# Altium PCB TFT-ES32-V1.1.PcbDoc (part 1 of 2) (continued)
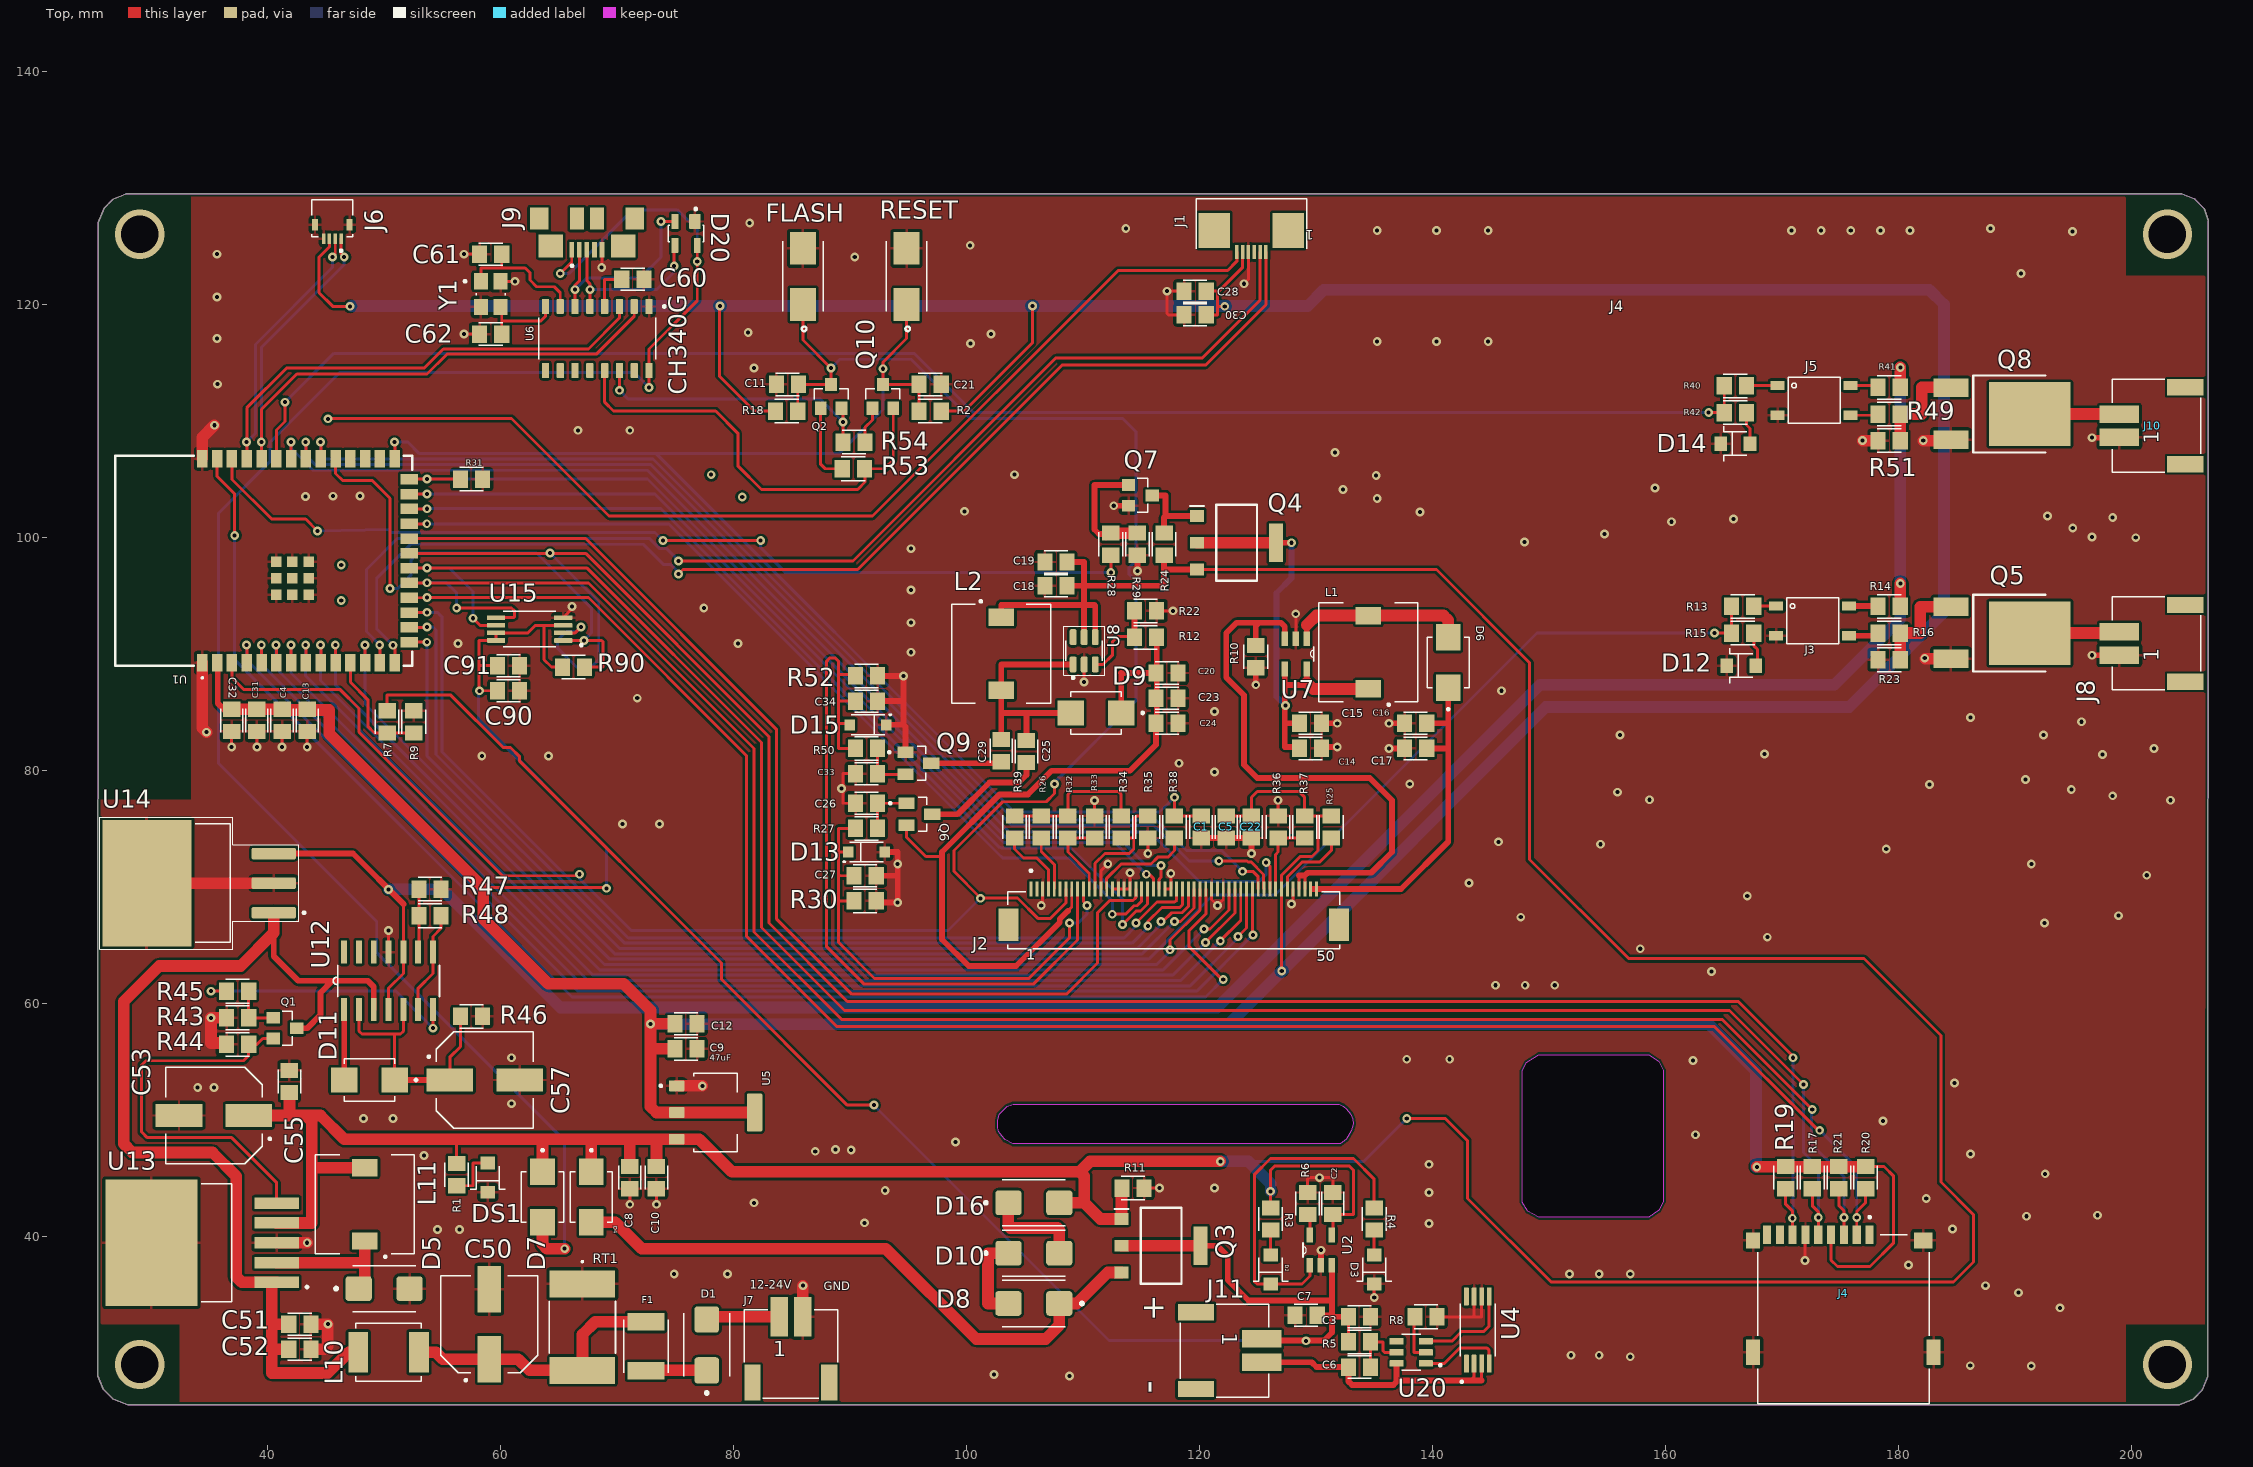
[diagram p0: Top view]
## Components (designator, comment, footprint, x,y, rotation, side; value= is the part's Value field where it differs from the comment) (continued)
R48 "5k" R_0805 53.975,67.564 r180 top
R49 "1K" R_0805 179.197,110.617 r180 top
R50 "10.5K" R_0805 91.44,81.915 r0 top
R51 "1K" R_0805 179.197,108.331 r180 top
R52 "10.5K" R_0805 91.44,88.138 r180 top
R53 "10K 5%" R_0805 90.297,105.918 r180 top
R54 "10K 5%" R_0805 90.363,108.204 r0 top
R90 "10K" R_0805 66.294,88.9 r180 top
RESET "buton-SMD" SW_147873-2 94.869,122.428 r90 top
RT1 "0ZCF0150FF2C" 0ZCF 67.056,32.258 r270 top
U1 "ESP32-S3-WROOM-1-N4R2" ESP32S3WROOM1N4R2 39.951,98.023 r90 top
U2 "MCP73831T-2ACI/OT" SOT95P280X145-5N 130.429,38.862 r90 top
U4 "FS8205A" SOP65P640X120-8N 143.891,32.004 r90 top
U5 "AMS1117" SOT229P700X180-4N 78.486,50.673 r0 top
U6 "CH340G" SOIC127P600X180-16N 68.326,117.094 r270 top
U7 "TPS61040DBVR" SOT95P280X145-5N 128.27,90.043 r270 top
U8 "MT3608" SOT95P280X145-6N 110.109,90.297 r90 top
U12 "TL084CDT" SOIC127P600X175-14N 50.419,61.976 r90 top
U13 "LM2596S-5.0" TO170P1524X483-6N 34.417,39.497 r180 top
U14 "LM7812S/NOPB" TO254P1524X483-4N 34.163,70.358 r180 top
U15 "CAT25512YI-GT3" SOP65P640X120-8N 62.525,92.161 r180 top
U20 "DW01A" SOT-23-6 138.176,30.099 r180 top
Y1 "cristal" XTAL_ABM8G25000MHZB4YT3 59.182,120.904 r0 top

## Footprints (in the part's own frame and the unit in brackets; to place one, negate y for a bottom-side part, rotate by r counter-clockwise, add the part's x,y. Pads: shape width x height; smd on the part's side, far side on the other; paste and mask are expansions set on the pad)
0ZCF [mil]
  rect 91x221 smd paste+0 mask+0: 1(-146,0) 2(146,0)
  silkscreen extent -224,-112 87,112, body extent -157,-111 157,111, height 45
68710614022 [mm]
  rect 0.3x1.2 smd: 1(-1.25,1.86) 2(-0.75,1.86) 3(-0.25,1.86) 4(0.25,1.86) 5(0.75,1.86) 6(1.25,1.86)
  rect 2.7x3 smd: Z1(-3.18,0) Z2(3.18,0)
  silkscreen extent -4.75,-2.74 4.75,1.56, body extent -4.7,-2.67 4.7,2.43, height 2.07
620102131822 [mm]
  rect 1.5x3.4 smd: 1(-1,0) 2(1,0)
  rect 1.4x3.1 smd: Z1(-3.3,-5.65) Z2(3.3,-5.65)
  silkscreen extent -4,-7 4,0.6, body extent -4,-7 4,1.6, height 5.55
AMPHENOL_59453-041110ECHLF [mm]
  rect 0.3x0.9 smd: 1(-0.75,1.2) 2(-0.25,1.2) 3(0.25,1.2) 4(0.75,1.2)
  rect 0.52x1 smd: 5(-1.49,0) 6(1.49,0)
  silkscreen extent -1.75,-2.15 1.75,2.35, body extent -1.75,-2.05 1.75,1.55, height 0.9
AMPHENOL_F32D-1A7Y1-21050 [mm]
  rect 0.25x1.3 smd mask+0.05: 1(-12.25,3.08) 2(-11.75,3.08) 3(-11.25,3.08) 4(-10.75,3.08) 5(-10.25,3.08) 6(-9.75,3.08) 7(-9.25,3.08) 8(-8.75,3.08) 9(-8.25,3.08) 10(-7.75,3.08) 11(-7.25,3.08) 12(-6.75,3.08) 13(-6.25,3.08) 14(-5.75,3.08) 15(-5.25,3.08) 16(-4.75,3.08) 17(-4.25,3.08) 18(-3.75,3.08) 19(-3.25,3.08) 20(-2.75,3.08) 21(-2.25,3.08) 22(-1.75,3.08) 23(-1.25,3.08) 24(-0.75,3.08) 25(-0.25,3.08) 26(0.25,3.08) 27(0.75,3.08) 28(1.25,3.08) 29(1.75,3.08) 30(2.25,3.08) 31(2.75,3.08) 32(3.25,3.08) 33(3.75,3.08) 34(4.25,3.08) 35(4.75,3.08) 36(5.25,3.08) 37(5.75,3.08) 38(6.25,3.08) 39(6.75,3.08) 40(7.25,3.08) 41(7.75,3.08) 42(8.25,3.08) 43(8.75,3.08) 44(9.25,3.08) 45(9.75,3.08) 46(10.25,3.08) 47(10.75,3.08) 48(11.25,3.08) 49(11.75,3.08) 50(12.25,3.08)
  rect 1.73x2.8 smd mask+0.05: S1(-14.19,0) S2(14.19,0)
  silkscreen extent -14.25,-2.05 14.25,4.75, body extent -14.54,-2.02 14.55,3.29, height 3.15
AMPHENOL_GTFP08131Y2HR [mm]
  rect 0.7x1.6 smd: 1(2.25,10.1) 2(1.15,10.1) 3(0.05,10.1) 4(-1.05,10.1) 5(-2.15,10.1) 6(-3.25,10.1) 7(-4.35,10.1) 8(-5.45,10.1) CD(-6.55,10.1)
  rect 1.2x1.4 smd: S1(-7.75,9.6)
  rect 1.6x1.4 smd: S2(6.85,9.6)
  rect 1.2x2.2 smd: S3(-7.75,0) S4(7.75,0)
  silkscreen extent -7.35,-4.4 7.35,11.7, body extent -8.05,-4.4 8.05,10.6, height 1.9
C_0805-3D [mm] "Chip Capacitor, 2-Leads, Body 2.00x1.25mm"
  rect 1.3x1.5 smd: 1(-0.95,0) 2(0.95,0)
  silkscreen extent -1.02,-0.95 1.02,0.95, body extent -1,-0.62 1,0.63, height 0.78
"CAP_EEEFP1V221AV - duplicate" [mm]
  rect 4x2 smd: 1(-3,0) 2(3,0)
  silkscreen extent -4.9,-4.15 4.15,4.15, body extent -4.85,-4.15 4.85,4.15, height 10.5
D_0805-GREEN [mm] "diodo GREEN 0805 smd"
  rect 1.1x1.25 smd: 1(-1.25,0) 2(1.25,0)
  silkscreen extent -1,-1.5 1,1.5, body extent -1.01,-0.62 1.01,0.63, height 1.1
D_0805-RED [mm] "diodo red 0805 smd"
  rect 1.1x1.25 smd: 1(-1.25,0) 2(1.25,0)
  silkscreen extent -1,-1.5 1,1.5, body extent -1.05,-0.67 1.05,0.68, height 0.9
DE0703-33 [mm] "Inductor: alambre; SMD; 33uH; 910mA; 240 mO; 7,3x7,3x3,2 mm; ±20%"
  rect 1.5x2.2 smd: 1(-3.15,0) 2(3.15,0)
  silkscreen extent -4.6,-4.25 4.25,4.25, body extent -3.65,-3.65 3.65,3.65, height 3.2
DIOM5436X247N [mm]
  rrect25% 2.25x2.12 smd: A(2.185,0) C(-2.185,0)
  silkscreen extent -4.22,-1.98 2.71,1.98, body extent -2.72,-1.78 2.72,1.78, height 2.49
DPAK [mil]
  rect 63x118 smd: 1(-89,-194) 3(87,-194)
  rect 214.63x275.59 smd: 4(0,72.94)
  silkscreen extent -130,-118 130,126, body extent -128,-225 128,165, height 94
ESP32S3WROOM1N4R2 [mm]
  rect 1.5x0.9 smd: 1(-8.75,5.51) 2(-8.75,4.24) 3(-8.75,2.97) 4(-8.75,1.7) 5(-8.75,0.43) 6(-8.75,-0.84) 7(-8.75,-2.11) 8(-8.75,-3.38) 9(-8.75,-4.65) 10(-8.75,-5.92) 11(-8.75,-7.19) 12(-8.75,-8.46) 13(-8.75,-9.73) 14(-8.75,-11) 27(8.75,-11) 28(8.75,-9.73) 29(8.75,-8.46) 30(8.75,-7.19) 31(8.75,-5.92) 32(8.75,-4.65) 33(8.75,-3.38) 34(8.75,-2.11) 35(8.75,-0.84) 36(8.75,0.43) 37(8.75,1.7) 38(8.75,2.97) 39(8.75,4.24) 40(8.75,5.51)
  rect 0.9x1.5 smd: 15(-6.985,-12.25) 16(-5.715,-12.25) 17(-4.445,-12.25) 18(-3.175,-12.25) 19(-1.905,-12.25) 20(-0.635,-12.25) 21(0.635,-12.25) 22(1.905,-12.25) 23(3.175,-12.25) 24(4.445,-12.25) 25(5.715,-12.25) 26(6.985,-12.25)
  rect 0.9x0.9 smd: 41(-1.5,-2.21) 42(-1.5,-0.81) 43(-2.9,-0.81) 44(-2.9,-2.21) 45(-2.9,-3.61) 46(-1.5,-3.61) 47(-0.1,-3.61) 48(-0.1,-2.21) 49(-0.1,-0.81)
  silkscreen extent -10.1,-12.5 9,13, body extent -9,-12.5 9,13, height 3.25
FUSER_MF-MSMF075/24-2 [mm]
  rect 1.5x3.2 smd: 1(-2.1,0) 2(2.1,0)
  silkscreen extent -2.27,-1.91 2.27,1.91, body extent -2.27,-1.62 2.27,1.62, height 0.85
HRS_ZX62R-B-5P [mm]
  rect 0.4x1.35 smd: 1(1.3,2.675) 2(0.65,2.675) 3(0,2.675) 4(-0.65,2.675) 5(-1.3,2.675)
  rect 1.6x1.9 smd: GND(-4.1,0) GND(4.1,0)
  rect 2.1x2 smd: GND(-3.1,2.35) GND(3.1,2.35)
  rect 1.2x1.9 smd: GND(-0.85,0) GND(0.85,0)
  silkscreen extent 1.18,3.94 1.38,4.14, body extent -4.4,-2.75 4.4,2.98, height 2.71
INDM5650X530N [mm]
  rect 1.71x3.51 smd: 1(-2.6,0) 2(2.6,0)
  silkscreen extent -2.8,-2.5 2.8,2.5, body extent -2.93,-2.67 2.67,2.33, height 5.3
R_0805 [mm] "Chip Resistor 0805"
  rect 1.3x1.5 smd: 1(-0.95,0) 2(0.95,0)
  silkscreen extent -1.02,-1.02 1.02,1.02, body extent -1,-0.63 1,0.63, height 0.43
SOD_123 [mm]
  rect 0.9x0.95 smd: 1(-1.575,0) 2(1.575,0)
  silkscreen extent -1.43,-0.85 2.03,0.89, body extent -1.93,-0.85 1.93,0.85, height 1.42
SOIC127P600X175-14N [mil]
  rect 78x20 smd: 1(-97,150) 2(-97,100) 3(-97,50) 4(-97,0) 5(-97,-50) 6(-97,-100) 7(-97,-150) 8(97,-150) 9(97,-100) 10(97,-50) 11(97,0) 12(97,50) 13(97,100) 14(97,150)
  silkscreen extent -53,-172 53,187, body extent -118,-170 118,170, height 69
SOIC127P600X180-16N [mm]
  rrect25% 1.31x0.62 smd: 1(-2.75,4.445) 2(-2.75,3.175) 3(-2.75,1.905) 4(-2.75,0.635) 5(-2.75,-0.635) 6(-2.75,-1.905) 7(-2.75,-3.175) 8(-2.75,-4.445) 9(2.75,-4.445) 10(2.75,-3.175) 11(2.75,-1.905) 12(2.75,-0.635) 13(2.75,0.635) 14(2.75,1.905) 15(2.75,3.175) 16(2.75,4.445)
  silkscreen extent -2.85,-5 1.78,5.85, body extent -3,-5 3,5, height 1.8
SOP65P640X120-8N [mm]
  rrect25% 1.56x0.4 smd: 1(-2.88,0.975) 2(-2.88,0.325) 3(-2.88,-0.325) 4(-2.88,-0.975) 5(2.88,-0.975) 6(2.88,-0.325) 7(2.88,0.325) 8(2.88,0.975)
  silkscreen extent -4.54,-1.52 2.25,1.52, body extent -3.2,-1.47 3.2,1.46, height 1.2
SOP-4-2.54MM [mm]
  rect 0.8x1.2 smd: ANODE(-1.3,-3.35) CATHODE(1.25,-3.35) COLLECTOR(-1.3,2.9) EMITTER(1.25,2.9)
  silkscreen extent -2,-2.45 1.95,2, body extent -1.9,-3.77 1.9,3.26, height 2.2
SOT95P240X120-3N [mm]
  rect 1.4x1 smd: 1(-1.1,0.95) 2(-1.1,-0.95) 3(1.1,0)
  silkscreen extent -2.6,-1.46 0.65,1.46, body extent -1.2,-1.46 1.2,1.46, height 1.2
SOT95P280X145-5N [mil]
  rect 50x22 smd: 1(-51,37) 2(-51,0) 3(-51,-37) 4(51,-37) 5(51,37)
  silkscreen extent -24,49 24,61, body extent -53,-57 53,57, height 57
SOT95P280X145-6N [mm]
  rrect50% 1.37x0.59 smd: 1(-1.17,0.95) 2(-1.17,0) 3(-1.17,-0.95) 4(1.17,-0.95) 5(1.17,0) 6(1.17,0.95)
  silkscreen extent -2.4,-1.75 2.1,1.75, body extent -1.4,-1.45 1.4,1.45, height 1.45
SOT143 [mm]
  rrect15% 0.99x1.3 smd: 1(-0.76,-1.025)
  rrect15% 0.59x1.3 smd: 2(0.96,-1.025) 3(0.96,1.025) 4(-0.96,1.025)
  silkscreen extent -1.52,-2.2 1.52,0.7, body extent -1.46,-1.21 1.46,1.21, height 1
SOT229P700X180-4N [mm]
  rrect15% 1.31x0.93 smd: 1(-3.345,2.29) 2(-3.345,0) 3(-3.345,-2.29)
  rrect15% 1.31x3.24 smd: 4(3.345,0)
  silkscreen extent -4.8,-3.36 1.86,3.36, body extent -3.5,-3.25 3.5,3.25, height 1.8
SOT230P700X175-4N [mm]
  rect 1.2x1 smd: 1(-3.4,2.3) 2(-3.4,0) 3(-3.4,-2.3)
  rect 1.2x3.3 smd: 4(3.4,0)
  silkscreen extent -4,-3.25 1.75,3.25, body extent -3.5,-3.25 3.5,3.25, height 1.75
SOT-23 [mil]
  rect 40x45 smd: 1(-35,-40) 2(35,-40) 3(0,40)
  silkscreen extent -58,-10 58,25, body extent -59,-49 59,49
SOT-23-6 [mm] "Pinza 11,4V 7A (8/20µs) Ipp Tvs Diodo Montaje en superficie"
  rrect25% 1.21x0.58 smd: 1(-1.255,0.95) 2(-1.255,0) 3(-1.255,-0.95) 4(1.255,-0.95) 5(1.255,0) 6(1.255,0.95)
  silkscreen extent -2.6,-1.56 0.8,1.56, body extent -1.4,-1.45 1.4,1.45, height 1.45
"SS56B-HF DO-214AA (SMB)" [mm] "Diodo Schottky 60 V 5A Montaje en superficie DO-214AA (SMB)"
  rect 2.28x2.12 smd: 1(2.165,0) 2(-2.165,0)
  silkscreen extent -4.1,-1.81 2.16,1.81, body extent -2.5,-1.35 2.5,1.35, height 2.28
SW_147873-2 [mm]
  rect 2.8x2.2 smd: 1(-2.413,0) 2(2.4,0)
  silkscreen extent -4.7,-1.75 3,1.75, body extent -3.53,-2.1 3.27,1.4, height 4.61
TO170P1524X483-6N [mm]
  rect 3.79x0.99 smd: 1(-6.4,3.4) 2(-6.4,1.7) 3(-6.4,0) 4(-6.4,-1.7) 5(-6.4,-3.4)
  rect 7.88x10.84 smd paste-6: 6(4.35,0)
  silkscreen extent -9.1,-5.08 0.09,5.08, body extent -7.18,-5.08 7.18,5.08, height 4.65
TO254P1524X483-4N [mm]
  rrect25% 3.79x0.99 smd: 1(-6.4,2.54) 2(-6.4,0) 3(-6.4,-2.54)
  rect 7.62x10.84 smd paste-6: 4(4.48,0)
  silkscreen extent -9.1,-5.67 8.54,5.67, body extent -7.3,-5.08 7.05,5.08, height 4.65
XTAL_ABM8G25000MHZB4YT3 [mm]
  rect 1.2x1.4 smd: 1(-0.85,1.1) 2(-0.85,-1.1) 3(0.85,-1.1) 4(0.85,1.1)
  silkscreen extent -2.3,-0.08 1.25,1.2, body extent -1.6,-1.24 1.6,1.24, height 0.99

## Part data
C1 C2 C3 C4 C5 C6 C7 C8 C9 C10 C11 C12 C13 C21 C22 C28 C30 C31 C32 C51 C52 C55 C60 C90 C91: library part "capacitor caramico", "capacitor ceramico 0805"
  C11 C21: tension=10V, tipo=X7R
C14 C15 C16 C17 C18 C19 C20 C23 C24 C25 C26 C27 C29 C33 C34 C61 C62: "capacitor ceramico 0805"
C50 C53: library part CAP_EEEFP1V221AV, "CAP ALUM", max volt=50V
C57: library part CAP_EEEFP1V221AV, "CAP ALUM", max volt=35V
D1 D5 D8 D10 D16: "Diode Schottky 60V 3A Surface Mount SMB"
D2: library part LED-SMD, "led 0805 red"
D3 D12 D14: library part LED-SMD-GREEN, "LED-SMD-GREEN"
D4 D6 D7 D9 D11: "Diodo Schottky 60 V 5A Montaje en superficie DO-214AA (SMB)", pakage="DO-214AA (SMB)", Part Number=SS56B-HF
D13: library part "Diodo Zener-MMSZ5231BT1G", "Diodo Zener 18V SMD SOD-123"
D15: library part "Diodo Zener-MMSZ5231BT1G", "Diodo Zener  8.2V  SOD-123"
D20: "Supresor ESD TVS Uni-Dir 5.5V 4-Pin SOT-143 T/R"
DS1: "led 0805 red"
F1: "Polymeric PTC Resettable Fuse 24V 750 mA Ih Surface Mount 1812 (4532 Metric), Concave"
J1: library part FPC-CONEC-6P-68710614022, "Position FPC Connector Contacts, Top 0.020\" (0.50mm) Surface Mount, Right Angle"
J2: "Flex Connector, 0.50mm Pitch, Height 2.00mm, Right angle, Flip type, ZIF, Double contact, point 50 position , Without MYLAR", Package=None, Availability="In Stock", Check_prices=https://www.snapeda.com/parts/F32D-1A7Y1-21050/Amphenol+FCI/view-part/?ref=eda, MF="Amphenol ICC (FCI)", MP=F32D-1A7Y1-21050, Price=None, Purchase-URL=https://pricing.snapeda.com/search?q=F32D-1A7Y1-21050&ref=eda, SnapEDA_Link=https://www.snapeda.com/parts/F32D-1A7Y1-21050/Amphenol+FCI/view-part/?ref=snap
J3 J5: "Optoisolator Transistor Output 3750Vrms 1 Channel 6-SOP", Package=None, Availability="In Stock", Check_prices=https://www.snapeda.com/parts/TLP185/Toshiba/view-part/?ref=eda, MF=Toshiba, MP=TLP185, Price=None, Purchase-URL=https://pricing.snapeda.com/search/part/TLP185/?ref=eda, SnapEDA_Link=https://www.snapeda.com/parts/TLP185/Toshiba/view-part/?ref=snap
J4: "GTFP08131Y2HR  MICRO SD,P/P,LCP", MF=GTFP08131Y2HR
J6: "0.50mm Flex Connectors, FPC/FFC Side Entry ZIF Connector, Surface Mount, 4 Positions, Bottom Contact, 0.50mm (0.020in) Pitch"
J7 J8 J10 J11: library part HEADER-2P-620102131822, "Connector Header Surface Mount, Right Angle 2 position 0.079 _2.00mm_"
J9: library part USB-ZX62R-B-5P, "ZX62R-B-5P USB STM", tecnoligi=SMD
L1: library part DE0703-33, "Inductor: alambre; SMD; 33uH; 910mA; 240 mO; 7,3x7,3x3,2 mm; ±20%"
L2 L11: "Inductor: alambre; SMD; 33uH; 910mA; 240 mO; 7,3x7,3x3,2 mm; ±20%"
L10: library part B82442T1105K050, "INDUCTOR, 2220A, 1000UH, 0.246A, 10%; Inductance:1mH; Inductance Tolerance:± 10%; DC Resistance Max:9.5ohm; DC Current Rating:150mA; Series:SIMID; Core Material:Ferrite; Inductor Case Style:2220; No. of Pins:2; Core Material:Ferrite; DC Current Max:150mA; Inductor Type:Laser Cut; Package / Case:2220; Q @ Vr F:20; Q Factor @ Frequency:20 @ 252kHz; Resistance:9.5ohm; Resonant Frequency:1.8MHz"
Q1 Q2 Q7: library part transistor-smd-NPN-BJT, "Transistor bipolar (BJT) NPN 25 V 500 mA 150 MHz 300 mW Montaje en superficie SOT-23"
Q3 Q4: "10A, 20V, 0.05ohm, P-CHANNEL, Si, POWER, MOSFET, TO-261AA, CASE 318E-04, TO-261, 4 PIN"
Q5 Q8: "Bipolar _BJT_ Transistor NPN - Darlington 100V 8A 4MHz 1.75W Surface Mount DPAK", MF="ON Semiconductor"
Q6 Q9: "SOT-23 30V 0.2A Diodes Rectifi"
Q10: library part transistor-smd-NPN-BJT-espejado, "Transistor bipolar (BJT) NPN 25 V 500 mA 150 MHz 300 mW Montaje en superficie SOT-23"
R1 R2 R3 R4 R5 R6 R7 R8 R9 R10 R11 R12 R13 R14 R15 R16 R17 R18 R19 R20 R21 R22 R23 R24 R25 R26 R27 R28 R29 R30 R31 R32 R33 R34 R35 R36 R37 R38 R39 R40 R41 R42 R43 R44 R45 R46 R47 R48 R49 R50 R51 R52 R53 R54 R90: library part Resistor
RT1: "PPTC (Polyswitch)", Manufacturer_Part_Number=0ZCF0150FF2C, RefDes=RefDes, Type=Type, Vendor=Belfuse
U1: "Bluetooth, WiFi 802.11b/g/n, Bluetooth v5.0 Transceiver Module 2.4GHz PCB Trace Surface Mount"
U2: "Charger IC Lithium Ion/Polymer SOT-23-5", Package="SOT-23 Microchip", MF=Microchip, MP=MCP73831T-2ACI/OT
U5: "1A LOW DROPOUT VOLTAGE REGULATOR SOT-223", MF=SOT-223, MP=AMS1117
U6: "USB Interface Integrated Circuit", MF=WCH, MP=CH340G
U7: "28-V, 400-mA Switch Boost Converter in SOT-23 for LCD and White LED Applications"
U8: "High Efficiency 1.2MHz 2A Step Up Converter", MB=MT3608, MF="Aerosemi Technology Co., Ltd"
U12: "General purpose JFET quad operational amplifiers", MP=TL084CDT
U13: "SIMPLE SWITCHER&reg; 4.5V to 40V, 3A Low Component Count Step-Down Regulator"
U14: "1.5-A, 30-V, linear voltage regulator 3-DDPAK/TO-263 0 to 125", MP=LM7812S/NOPB, pakage=3-DDPAK/TO-263
U15: "EEPROM 512KB SPI SER CMOS EEPROM"
U20: "One Cell Lithium-ion/Polymer Battery Protection IC"
Y1: library part ABM8G25000MHZB4YT3, "CRISTAL, SELLO DE VIDRIO CERAMICO, 25.000MHZ, 10PF, 30PPM @ 25C, 3", MF=Abracon, MP=ABM8G25000MHZB4YT3

## Via types
v1: diameter 0.756/0.756 (per signal layer), hole 0.35, Top to Bottom, 312 vias
v2: diameter 4.216/4.216 (per signal layer), hole 3.2, Top to Bottom, 4 vias

## Nets (pads, with @x,y where several pads share a name; then routed paths per layer and width w, separated by ;. In a path a pad name is that pad's centre, name@x,y a point inside that pad or via, vN(x,y) a via of type N, cw(c..) or ccw(c..) an arc to the next point about the centre after c; other vN are vias at no path point)
+4.2: C3.1 C7.2 J11.1 Q3.2 Q3.4 R5.2 R7.2 U2.3 | length 142.3
  Top w0.254: R7.2@50.292,85.151 50.292,86.487 55.753,86.487 60.252,81.988 60.887,81.988 61.668,81.207 61.668,80.826 78.994,63.5 78.994,62.103 89.789,51.308 v1(92.075,51.308) ; 131.242,34.29 131.369,34.163 ; 131.369,33.274 131.496,33.147 ; R5.2@132.781,30.988 C3.1@132.781,33.147
  Top w0.5: Q3.4@120.113,39.243 121.539,39.243 122.428,38.354 122.428,36.322 124.206,34.544 131.369,34.544 ; J11.1@125.603,31.115 130.683,31.115 131.369,31.801 131.369,33.274 ; C7.2@130.109,33.274 131.369,33.274 ; U2.3@131.369,37.567 131.369,34.544 ; 131.496,33.147 C3.1@132.781,33.147 ; 131.369,33.274 131.369,34.163 131.369,34.544
  Top w1: Q3.2@113.313,39.243 Q3.4@120.113,39.243
  Bottom w0.254: v1(92.075,51.308) 92.075,51.278 112.238,31.115 v1@129.159,31.115
  other v1: 129.159,31.085
+Va: D4.1 D8.C Q3.3 | length 53.1
  Top w1: D4.1@67.818,41.269 69.856,41.269 72.136,38.989 93.091,38.989 100.838,31.242 106.807,31.242 107.976,32.411 D8.C@107.976,34.29 109.474,34.29 112.127,36.943 Q3.3@113.313,36.943
DCLK1: J2.14 R38.2 | length 9
  Top w0.254: J2.14@112.046,69.856 112.046,70.771 113.284,72.009 115.838,72.009 116.42,72.59 117.294,72.59 117.856,73.152 R38.2@117.856,74.234 ; R38.2@118.285,74.246 118.379,74.34 R38.2@118.304,74.415
GND: C1.1 C2.1 C3.2 C4.1 C5.1 C7.1 C8.2 C9.2 C10.1 C11.1 C12.1 C13.2 C14.1 C15.1 C16.1 C17.1 C18.2 C19.1 C20.1 C21.1 C22.1 C23.1 C24.1 C26.1 C27.1 C28.2 C30.1 C31.1 C32.2 C33.1 C34.1 C50.2 C51.2 C52.1 C53.2 C55.1 C57.2 C60.1 C61.1 C62.1 C90.1 C91.2 D3.2 D5.A D12.2 D13.1 D14.2 D15.2 D20.1 DS1.2 FLASH.2 J1.4 J2.3 J2.13 J2.15 J2.16 J2.17 J2.18 J2.24 J2.25 J2.32 J2.34 J2.46 J3.CATHODE J4.6 J4.S1 J4.S2 J4.S3 J4.S4 J5.CATHODE J6.4 J6.5 J6.6 J7.2 J8.1 J9.5 J10.1 Q5.3 Q7.2 Q8.3 Q9.1 R6.1 R8.1 R9.1 R10.1 R11.2 R22.1 R23.1 R29.1 R30.1 R31.2 R33.1 R35.1 R36.2 R43.1 R44.1 R46.1 R47.1 R51.2 R52.1 RESET.2 RT1.1 U1.1 U1.40 U1.41 U1.42 U1.43 U1.44 U1.45 U1.46 U1.47 U1.48 U1.49 U2.2 U4.6 U4.7 U5.1 U6.1 U7.2 U8.2 U12.11 U13.3 U13.6 U14.2 U14.4 U15.4 Y1.2 Y1.4 | length 154.8
  Top w0.254: R44.1@36.388,56.642 R44.1@36.515,56.515 ; v1(36.957,82.042) C32.2@36.957,83.378 ; v1(39.116,82.042) C31.1@39.116,83.378 ; v1(41.275,82.042) C4.1@41.275,83.378 ; v1(43.434,82.042) C13.2@43.434,83.378 ; U12.11@50.419,64.44 v1(50.419,66.294) ; v1(56.896,117.475) C62.1@58.232,117.475 ; v1(56.896,124.333) C61.1@58.232,124.333 ; Y1.4@60.032,122.004 v1(61.257,122.004) ; U15.4@65.405,93.136 66.167,93.898 v1(66.167,94.107) ; v1(68.707,123.19) 68.737,123.22 J9.5@68.737,124.706 ; v1(71.12,42.799) C8.2@71.12,44.135 ; v1(73.406,42.799) C10.1@73.406,44.135 ; v1@77.339,52.963 v1(77.343,52.959) ; v1@85.947,35.782 v1(85.979,35.814) ; C26.1@90.49,77.216 89.408,77.216 89.408,79.756 C33.1@90.49,79.756 ; R30.1@92.263,68.834 R30.1@92.517,68.58 ; 94.488,85.979 94.615,85.852 ; v1(106.426,68.453) 106.546,68.573 J2.3@106.546,69.856 ; v1(110.109,87.63) U8.2@110.109,89.127 ; R33.1@110.998,76.134 v1(110.998,77.44) ; J2.13@111.546,69.856 111.546,71.414 v1(112.141,72.009) ; J2.15@112.546,69.856 J2.16@113.046,69.856 J2.17@113.546,69.856 J2.18@114.046,69.856 v1(114.046,71.247) ; R11.2@115.25,44.196 v1(116.586,44.196) ; v1(115.57,72.898) R35.1@115.57,74.234 ; R22.1@116.332,93.726 v1(117.729,93.726) ; J2.24@117.046,69.856 J2.25@117.546,69.856 v1(117.546,71.176) ; C30.1@118.684,119.126 117.348,119.126 117.221,119.253 v1(117.221,121.158) C28.2@118.684,121.158 ; J2.32@121.046,69.856 121.046,68.946 v1(121.539,68.453) 122.046,68.96 J2.34@122.046,69.856 ; v1(123.825,121.793) 124.21,122.178 J1.4@124.21,124.505 ; R36.2@126.746,76.134 v1(126.746,77.47) ; v1(127.889,68.58) 128.046,68.737 J2.46@128.046,69.856 ; U7.2@128.27,91.338 v1(128.27,93.472) ; R6.1@129.286,43.81 129.286,44.958 129.413,45.085 v1(130.302,45.085) 131.318,45.085 131.445,44.958 C2.1@131.445,43.81 ; v1(135.001,34.798) D3.2@135.001,35.961 ; R8.1@140.396,33.147 143.51,33.147 ; U4.7@143.566,34.884 143.566,33.203 143.51,33.147 ; U4.6@144.216,34.884 144.216,33.147 143.51,33.147 ; v1(171.958,37.973) 171.958,40.782 J4.6@172.01,40.834 ; v1(182.245,89.662) v1@182.296,89.611 ; Q8.3@184.405,108.331 Q8.3@184.482,108.407 ; J8.1@198.929,89.916 J8.1@198.947,89.934 ; J10.1@198.929,108.585 J10.1@198.947,108.603
  Top w0.5: C27.1@92.263,70.993 94.107,70.993 ; C34.1@92.39,85.979 94.488,85.979 ; R52.1@92.39,88.138 v1(94.615,88.138) 94.615,85.852 94.615,83.947 ; R30.1@92.517,68.58 92.644,68.707 v1(94.107,68.707) 94.107,70.993 ; D13.1@93.015,73.025 94.107,73.025 v1(94.107,72.009) 94.107,70.993 ; D15.2@93.142,83.947 94.615,83.947 ; Q9.1@94.785,81.595 94.785,83.777 94.615,83.947 ; v1(112.649,102.743) Q7.2@113.919,102.743 ; v1(114.681,97.155) R29.1@114.681,98.491 ; C1.1@120.142,74.234 C5.1@122.301,74.234 C22.1@124.46,74.234 v1(124.46,72.898) ; v1(124.841,87.376) R10.1@124.841,88.712 ; U2.2@130.429,37.567 v1(130.429,38.862) ; C14.1@130.49,82.042 v1(131.826,82.042) ; C15.1@130.49,84.074 v1(131.826,84.074) ; v1(136.271,81.915) C17.1@137.607,81.915 ; v1(136.271,84.074) C16.1@137.607,84.074 ; v1(196.596,89.916) J8.1@198.929,89.916 ; v1(196.596,108.585) J10.1@198.929,108.585
  Top w1: U14.4@29.683,70.358 U14.2@40.563,70.358 ; U1.40@34.417,106.773 34.417,108.598 v1(35.471,109.651) ; U1.1@34.441,89.273 34.441,83.669 v1(34.798,83.312) ; R44.1@36.388,56.642 35.179,56.642 v1(35.179,58.801) R43.1@36.515,58.801 ; U13.3@40.817,39.497 v1(43.434,39.497) ; C52.1@43.749,30.353 44.958,30.353 45.212,30.607 v1(45.212,32.512) C51.2@43.749,32.512 ; U5.1@75.141,52.963 v1@77.339,52.963 ; J7.2@85.947,33.147 v1@85.947,35.782 ; v1(176.911,108.331) R51.2@178.247,108.331 ; v1(182.118,108.331) Q8.3@184.405,108.331 ; v1@182.296,89.611 Q5.3@184.482,89.611
  other v1: 108.839,28.067 102.362,28.194 191.383,28.915 186.151,28.949 156.972,29.718 151.892,29.845 154.305,29.845 193.838,33.917 190.277,35.214 187.452,35.814 74.93,36.83 79.502,36.83 151.765,36.83 154.305,36.83 156.972,36.83 180.848,37.592 54.61,40.64 56.515,40.64 184.627,40.679 139.7,41.148 91.247,41.21 190.97,41.771 197.075,41.862 81.788,42.926 182.372,43.307 139.7,43.815 93.035,43.991 121.285,44.196 192.577,45.412 139.7,46.228 53.467,46.99 186.182,47.117 87.032,47.345 90.118,47.454 88.773,47.498 99.06,48.133 162.56,48.768 178.654,49.937 48.26,50.165 50.8,50.165 60.96,51.435 34.036,52.832 35.433,52.832 184.785,53.213 162.356,55.139 137.795,55.245 141.478,55.245 60.96,55.372 145.415,61.595 147.955,61.595 150.495,61.595 163.946,62.783 157.832,64.731 168.734,65.723 192.532,66.929 147.574,67.437 198.882,67.564 167.013,69.243 143.143,70.375 201.298,71.038 191.389,72.009 178.943,73.279 154.413,73.696 145.666,73.903 70.485,75.438 73.66,75.438 203.327,77.47 158.617,77.513 198.374,77.851 155.871,78.162 194.821,78.404 89.281,78.486 182.649,78.828 138.049,78.867 190.881,79.248 121.285,79.883 118.237,80.645 58.42,81.28 64.135,81.28 197.485,81.407 168.487,81.43 201.93,81.915 156.088,83.076 192.443,83.075 195.705,84.206 186.182,84.582 121.285,85.09 71.755,86.233 145.923,86.868 95.25,90.17 56.388,90.932 80.391,90.932 95.25,92.71 77.47,93.98 95.25,95.504 95.25,99.06 147.884,99.627 200.35,100.005 196.596,100.076 154.769,100.314 194.945,100.838 160.523,101.369 165.845,101.612 198.374,101.727 192.786,101.854 138.938,102.205 99.848,102.268 135.255,103.378 43.284,103.539 45.641,103.564 47.961,103.572 132.334,104.14 159.089,104.264 135.171,105.337 104.14,105.41 131.631,107.323 66.675,109.22 71.12,109.22 35.74,113.177 81.788,114.554 100.346,116.659 135.255,116.84 140.335,116.84 144.78,116.84 35.687,117.094 102.108,117.475 81.28,117.602 35.687,120.65 190.5,122.682 90.424,124.079 35.687,124.333 100.33,125.095 194.925,126.275 135.255,126.365 140.335,126.365 144.78,126.365 170.815,126.365 173.355,126.365 175.895,126.365 178.435,126.365 180.975,126.365 113.684,126.541 187.875,126.55 81.407,127
NetC1_2: C1.2 C21.2 Q10.3 R2.1 R38.1 RESET.1 U1.27 | length 123.3
  Top w0.254: U1.27@50.951,106.773 v1@50.951,107.926 ; RESET.1@94.869,120.015 94.869,117.094 92.837,115.062 Q10.3@92.837,113.157 C21.2@95.951,113.157 R2.1@95.951,110.871 ; v1(117.856,77.724) R38.1@117.856,76.134 C1.2@120.142,76.134
  Bottom w0.254: v1(50.927,108.204) 52.07,108.204 53.061,107.213 73.381,107.213 ; v1(92.853,114.5) 92.853,111.014 89.052,107.213 73.381,107.213 ; v1(117.856,77.724) 116.586,76.454 104.14,76.454 73.381,107.213
NetC4_2: C4.2 C5.2 C9.1 C12.2 C13.1 C22.2 C28.1 C30.2 C31.2 C32.1 C90.2 C91.1 J1.5 J2.44 J4.4 J6.3 R2.2 R17.2 R18.2 R19.2 R20.2 R21.2 R25.2 R37.1 R90.2 U1.2 U5.2 U5.4 U15.3 U15.7 U15.8 | length 571.7
  Top w0.254: J6.3@45.343,125.673 45.343,124.972 44.45,124.079 44.45,121.031 45.623,119.858 v1(47.117,119.858) ; 58.547,69.977 v1@69.052,69.977 ; C90.2@59.756,86.868 58.166,86.868 58.166,89.027 ; C91.1@59.756,89.027 58.166,89.027 ; R90.2@65.344,88.9 64.389,88.9 63.754,89.535 63.754,92.486 ; U15.3@65.405,92.486 63.754,92.486 ; 72.898,56.261 73.025,56.134 ; v1@78.8,119.925 78.8,113.875 81.804,110.871 R18.2@83.632,110.871 ; R2.2@97.851,110.871 99.822,110.871 105.664,116.713 v1(105.664,119.888) ; C30.2@120.584,119.126 121.539,119.126 121.539,119.888 ; C28.1@120.584,121.158 121.666,121.158 ; v1(122.174,119.858) 121.569,119.858 121.539,119.888 ; C5.2@122.301,76.134 C22.2@124.46,76.134 124.46,77.724 124.968,78.232 128.524,78.232 129.032,77.724 R37.1@129.032,76.134 ; J1.5@123.71,124.505 123.71,123.202 121.666,121.158 ; v1@127.046,62.784 J2.44@127.046,69.856 127.046,71.039 128.651,72.644 129.667,72.644 130.175,73.152 130.175,75.946 129.987,76.134 R37.1@129.032,76.134 ; R25.2@131.318,76.134 R37.1@129.032,76.134 ; J4.4@174.21,40.199 174.21,38.007 174.752,37.465 177.546,37.465 179.578,39.497 179.578,45.212 178.755,46.035 R20.2@177.165,46.035 ; 58.166,89.027 58.166,91.186 U15.8@59.645,91.186 U15.7@59.645,91.836 62.372,91.836 63.022,92.486 63.754,92.486 ; 121.539,119.888 121.539,121.031 121.666,121.158
  Top w0.5: U1.2@35.753,89.747 35.753,85.786 36.313,85.226 C32.1@36.957,85.278
  Top w1: C32.1@36.957,85.278 39.056,85.304 39.116,85.303 41.147,85.278 41.147,85.276 C4.2@41.148,85.226 ; C4.2@41.402,85.217 45.339,85.217 45.339,83.185 58.547,69.977 58.547,67.31 64.135,61.722 70.612,61.722 72.898,59.436 v1@72.898,58.293 ; 73.025,56.134 C9.1@74.996,56.134 ; C12.2@74.996,58.293 v1@72.898,58.293 ; U5.4@81.831,50.673 U5.2@75.141,50.673 73.406,50.673 72.898,51.181 72.898,56.261 v1(72.898,58.263) v1@72.898,58.293 ; v1@167.833,46.035 R19.2@170.307,46.035 R17.2@172.593,46.035 R21.2@174.879,46.035 R20.2@177.165,46.035
  Bottom w0.254: v1@58.15,86.925 58.15,84.375 69.112,73.413 v1(69.112,69.915)
  Bottom w1: v1@47.244,119.888 v1(78.86,119.888) v1(105.664,119.888) 129.286,119.888 130.683,121.285 182.626,121.285 183.896,120.015 183.896,93.599 175.768,85.471 149.725,85.471 v1(127.065,62.811) 122.518,58.263 ; v1(72.898,58.263) 122.518,58.263 ; v1@167.767,45.974 167.767,54.229 163.733,58.263 122.518,58.263
  other v1: 167.833,46.005 58.21,86.863
NetC6_1: C6.1 R5.1 U20.5 | length 5.2
  Top w0.254: C6.1@134.681,28.829 R5.1@134.681,30.988 135.763,30.988 135.763,30.226 135.89,30.099 U20.5@136.921,30.099
NetC6_2: C6.2 J11.2 U4.2 U4.3 U20.6 | length 25.8
  Top w0.254: J11.2@125.349,29.242 J11.2@125.889,28.702 ; 143.256,27.686 143.566,27.996 U4.2@143.566,29.124 ; 144.216,27.686 U4.3@144.216,29.124
  Top w0.5: J11.2@125.349,29.242 129.635,29.242 130.048,28.829 C6.2@132.781,28.829 132.781,27.62 133.096,27.305 136.652,27.305 136.921,27.574 136.921,27.686 ; U20.6@136.921,29.149 136.921,27.686 ; 144.216,27.686 143.256,27.686 136.921,27.686